# KiCad board 100p-keebored_OLD.kicad_pcb (continued)
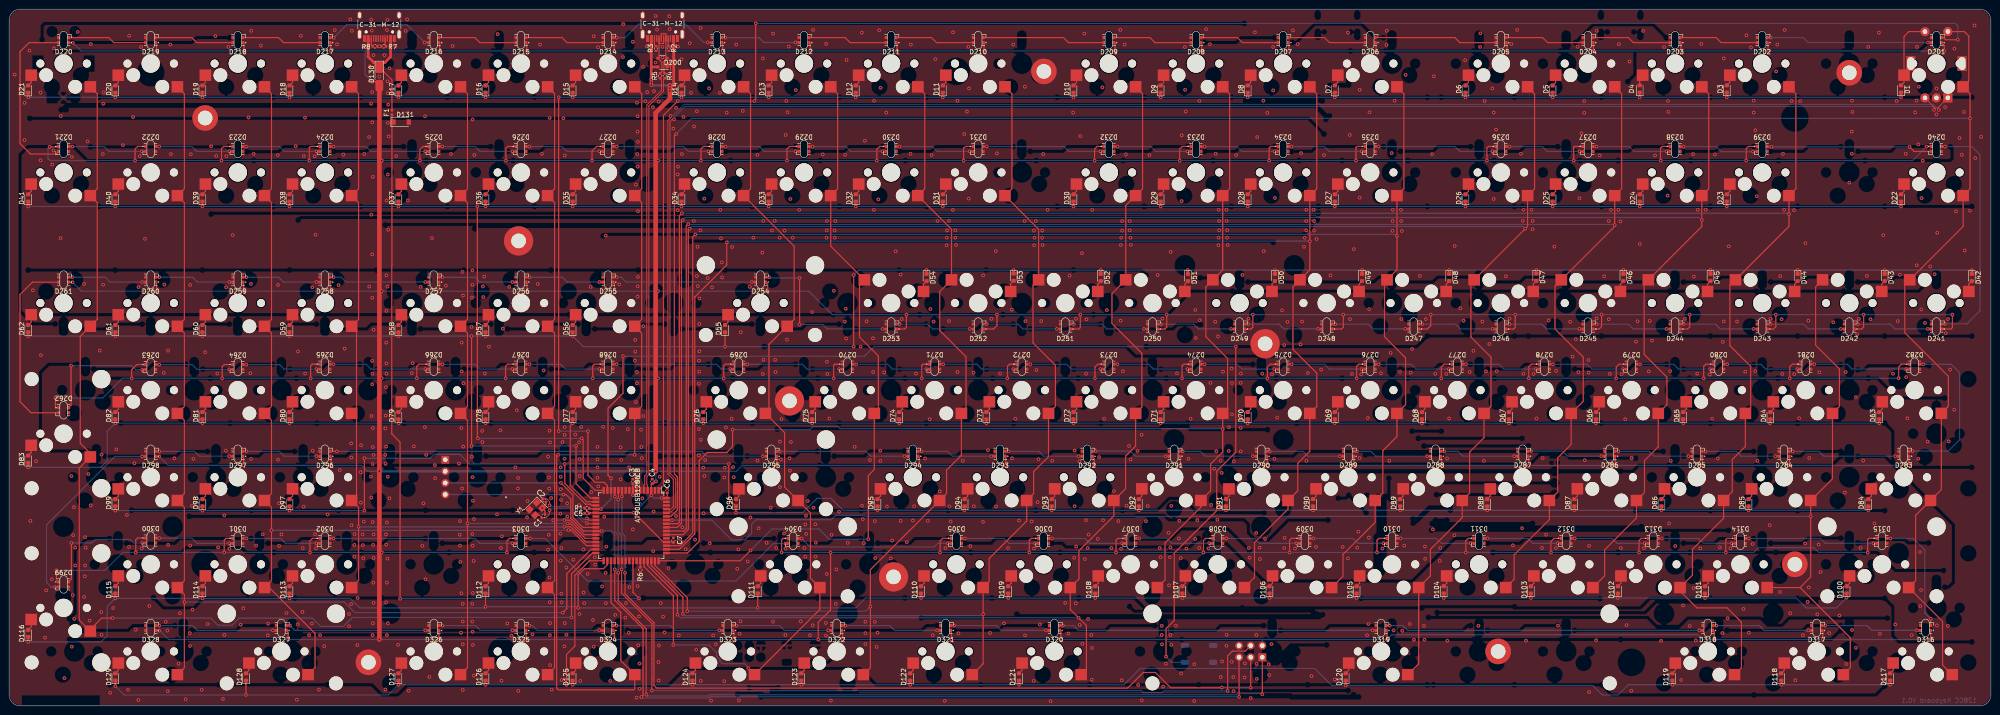
[diagram p0: board, top side]
## Routing (per net, layer and track width the routed paths; a pad name or vN(x,y) marks a point on that pad's centre or on a via; arc(x,y) is an arc through that point) (continued)
GND: length 7.5
  Top w0.25: 144.57,141.01 143.87,140.3 D200.1 144.57,139.96 144.65,140.04 ; 144.65,140.04 144.65,138.92 ; 144.65,140.04 144.65,140.93 ; C1.1 117.16,42.66 v1(116.56,43.26) 117.38,44.08 C2.1
  vias: v1(1.21,138.08) v1(3.35,123.72) v1(3.38,131.88) v1(4.43,143.32) v1(4.65,40.45) v1(5.2,90.9) v1(5.9,53.5) v1(6.85,134.15) v1(6.86,119.33) v1(6.95,76.7) v1(7.85,14.9) v1(8.1,25.25) v1(9.35,27.7) v1(9.42,118.4) v1(9.69,121.48) v1(9.8,143.8) v1(11.25,102.3) v1(11.3,129) v1(12.1,6.05) v1(13.6,50.25) v1(13.72,120.06) v1(13.7,12.95) v1(13.9,24.2) v1(14,37.35) v1(14.15,43.45) v1(14.25,19.05) v1(14.45,34.6) v1(14.45,30.7) v1(15,147.4) v1(16.4,92.3) v1(16.4,23.8) v1(16.55,28.35) v1(16.6,36.9) v1(16.6,30.7) v1(16.75,34.6) v1(17.15,123.45) v1(17.3,50.7) v1(17.6,18.65) v1(17.85,144.75) v1(17.85,43.85) v1(19.8,77.7) v1(20.15,20.5) v1(20.2,54.95) v1(20.2,15.55) v1(20.49,120.7) v1(20.55,92.1) v1(20.6,131.7) v1(20.7,134.2) v1(22.1,2.85) v1(22.75,21.4) v1(23.45,56.1) v1(24.88,122.64) v1(25.75,41.75) v1(26,3.5) v1(26.24,146.57) v1(26.2,34.75) v1(27.1,128.8) v1(27.4,53.05) v1(27.7,16.65) v1(28.25,1.3) v1(28.3,91.6) v1(28.55,120.25) v1(28.85,144.1) v1(29,34.45) v1(29.7,102.15) v1(30.65,21.85) v1(33.8,72.84) v1(33.95,92.15) v1(34.25,18.4) v1(34.6,16.45) v1(34.75,77.7) v1(34.75,35.2) v1(34.7,3.2) v1(35.25,144.65) v1(35.38,120.69) v1(36.15,54.15) v1(37.05,9.2) v1(37.35,20.25) v1(38.6,1.45) v1(39.5,15.9) v1(39.55,13.1) v1(39.6,92.05) v1(39.6,35.05) v1(39.74,120.66) v1(40,43.75) v1(40.1,21.05) v1(40.3,54.05) v1(42.1,3.5) v1(42.85,77.35) v1(43.4,17.9) v1(44.16,122.41) v1(45.1,146.47) v1(45.3,120.3) v1(45.53,72.69) v1(45.7,34.65) v1(46.75,1.5) v1(47.05,41.65) v1(47.05,15.5) v1(47.45,91.55) v1(47.4,55.8) v1(47.5,120.2) v1(47.95,144.15) v1(48.15,34.35) v1(48.9,102.95) v1(50.65,17.75) v1(51.2,21.35) v1(52.35,128.7) v1(52.74,72.74) v1(52.95,147.65) v1(52.9,92.3) v1(52.9,54) v1(53.49,120.72) v1(54,35.05) v1(55.05,144.42) v1(55.45,37.5) v1(56.55,15.45) v1(56.65,17.95) v1(58.76,120.48) v1(58.8,92.05) v1(58.8,53.85) v1(59,44.3) v1(59.05,35) v1(59.55,37.5) v1(60.64,20.31) v1(62.66,122.41) v1(62.9,1.35) v1(63.15,77.5) v1(63.1,17.86) v1(63.8,146.57) v1(64.14,20.54) v1(64.2,34.5) v1(64.45,120.25) v1(64.4,43.55) v1(64.7,128.65) v1(64.73,72.69) v1(65.63,15.48) v1(66.22,18.01) v1(66.3,91.55) v1(66.4,55.8) v1(66.8,120.2) v1(66.9,37.55) v1(67,103.05) v1(67.1,34.45) v1(67.75,3.55) v1(68.01,15.48) v1(68.9,13.05) v1(69.65,41.85) v1(71.2,147.8) v1(71.7,144.7) v1(72.05,92) v1(72.3,51.55) v1(73.1,120.58) v1(73.35,78.15) v1(74.33,20.09) v1(74.33,17.41) v1(74.6,150.15) v1(74.8,57.4) v1(74.85,54.3) v1(74.78,22.25) v1(74.95,147.65) v1(74.9,39.5) v1(75.55,37.55) v1(75.5,35.2) v1(75.5,32.6) v1(76.15,13.3) v1(76.2,23.6) v1(76.85,51.1) v1(76.95,57) v1(76.9,44.45) v1(77.3,37.5) v1(77.35,35.15) v1(77.45,32.3) v1(77.49,144.2) v1(77.55,40.3) v1(77.68,120.71) v1(78.72,124.42) v1(78.75,91.7) v1(78.87,139.89) v1(79.15,131.7) v1(79.1,50.15) v1(79.2,150.1) v1(79.2,107.45) v1(79.25,63.4) v1(79.2,45.55) v1(79.3,147.7) v1(79.39,134.23) v1(79.4,127.65) v1(79.4,98.75) v1(79.4,89.25) v1(79.4,75.45) v1(79.45,72.65) v1(79.4,70.35) v1(79.55,115.7) v1(79.55,60.75) v1(79.55,56.6) v1(79.5,52.9) v1(79.5,40.2) v1(79.54,18.08) v1(79.47,15.48) v1(79.6,35.2) v1(79.65,26.95) v1(79.69,142.34) v1(79.7,82.25) v1(79.7,54.9) v1(79.7,37.5) v1(79.7,32.35) v1(79.69,22.54) v1(80.95,144.26) v1(80.95,137.66) v1(82.07,142.34) v1(82.25,60.7) v1(82.25,54.9) v1(82.35,63.5) v1(82.3,52.95) v1(82.29,3.57) v1(82.45,79.45) v1(82.4,69.7) v1(82.45,56.7) v1(82.4,37.5) v1(82.45,35.25) v1(82.44,22.62) v1(82.55,110.55) v1(82.5,94.15) v1(82.5,86.4) v1(82.5,74.9) v1(82.5,72.65) v1(82.6,147.8) v1(82.6,40.1) v1(82.6,26.95) v1(82.59,15.48) v1(82.75,150.05) v1(82.74,136.61) v1(82.74,91.7) v1(82.75,32.2) v1(82.81,134.01) v1(82.8,127.5) v1(82.8,116.2) v1(82.8,50.1) v1(82.81,18.08) v1(82.9,131.5) v1(82.9,104.15) v1(82.98,124.55) v1(83.15,45.4) v1(83.19,139.44) v1(84.44,144.28) v1(84.64,120.26) v1(85.05,13.35) v1(86.7,147.65) v1(87.05,150.15) v1(87.2,110.55) v1(87.35,3.3) v1(88.05,72.75) v1(88.25,74.95) v1(88.5,56.75) v1(90,91.65) v1(90.35,35) v1(90.6,44.3) v1(90.95,128.95) v1(90.9,60.95) v1(91.05,27.7) v1(91.2,54.9) v1(91.89,6.32) v1(92.45,102.3) v1(93.1,52.65) v1(93.15,49.8) v1(95.5,91.9) v1(96.62,120.72) v1(96.97,144.33) v1(98.37,52.98) v1(98.51,37.43) v1(98.59,40.4) v1(98.59,35.05) v1(98.66,31.47) v1(98.81,16) v1(98.89,60.79) v1(98.89,24.63) v1(98.96,79.47) v1(98.96,73.14) v1(99.04,47.55) v1(99.15,94.9) v1(99.25,89.75) v1(99.18,22.32) v1(99.18,18.45) v1(99.18,13.47) v1(99.18,3.5) v1(99.33,70.54) v1(99.3,56.7) v1(101.12,82.89) v1(101.2,89.3) v1(101.19,54.47) v1(101.35,128.25) v1(101.3,95.25) v1(101.3,92.1) v1(101.34,50) v1(101.27,37.58) v1(101.34,35.05) v1(101.27,22.32) v1(101.27,18.45) v1(101.34,16.22) v1(101.42,44.87) v1(101.42,24.7) v1(101.42,13.32) v1(101.65,40.85) v1(101.57,31.7) v1(101.64,6.62) v1(101.73,120.49) v1(103.44,60.14) v1(103.49,57.7) v1(103.6,91.75) v1(103.7,89.4) v1(103.9,93.9) v1(104.02,72.7) v1(104.91,78.58) v1(106.7,41.89) v1(106.82,146.93) v1(107.44,60.27) v1(107.55,34.55) v1(107.65,5.5) v1(107.75,37.1) v1(107.96,82.52) v1(108.95,18) v1(109.35,91.65) v1(109.85,15.35) v1(110.15,101.85) v1(110.72,52.16) v1(111.02,64.66) v1(111.24,47.55) v1(111.31,49.85) v1(111.35,3.25) v1(111.54,42.78) v1(113.25,41.22) v1(113.4,44.79) v1(114.44,15.62) v1(115.58,92.24) v1(116.12,144.65) v1(116.52,120.75) v1(116.89,73.37) v1(117.87,54.5) v1(117.86,34.15) v1(118.05,49.95) v1(118.01,37.43) v1(118.1,47.5) v1(118.15,28.05) v1(118.2,128.6) v1(118.17,60.19) v1(118.22,22.65) v1(118.25,15.45) v1(118.28,57.65) v1(118.3,18.1) v1(118.3,8.9) v1(118.53,45.46) v1(118.65,3.55) v1(120.54,42.04) v1(120.54,37.65) v1(120.6,52.15) v1(120.6,50.1) v1(120.61,47.4) v1(120.61,31.77) v1(120.7,45.05) v1(120.75,34.5) v1(120.76,24.55) v1(120.82,22.65) v1(120.8,5.65) v1(121.02,57.7) v1(121.2,128.5) v1(121.45,54.05) v1(121.43,13.02) v1(121.5,120.36) v1(121.48,60.95) v1(121.48,59.28) v1(121.51,18.08) v1(121.85,30.25) v1(121.88,15.55) v1(122.03,44.27) v1(122.05,41.4) v1(123.35,31.95) v1(123.81,59.33) v1(124.63,57.65) v1(124.63,43.9) v1(124.75,53.95) v1(124.75,50.25) v1(124.73,20.11) v1(124.9,5.45) v1(125.08,61) v1(125.6,34.2) v1(125.6,24.78) v1(125.75,22.47) v1(126.49,28.87) v1(127.17,91.64) v1(127.3,46.75) v1(127.68,18.75) v1(127.85,146.45) v1(127.83,12.95) v1(128.05,32.5) v1(128.15,30.9) v1(128.65,56.65) v1(128.65,53.9) v1(128.65,52.15) v1(128.65,49.9) v1(128.8,144.05) v1(128.85,48) v1(129.69,26.12) v1(129.9,61.05) v1(130.14,41.37) v1(130.45,102.85) v1(130.44,29.09) v1(130.5,22.45) v1(130.59,34.82) v1(131.45,5.45) v1(132,60.8) v1(132.55,19.9) v1(133.4,92.2) v1(133.71,56.55) v1(133.71,49.56) v1(133.86,53.8) v1(134.23,141.9) v1(134.31,149.12) v1(134.75,19.3) v1(134.9,22.47) v1(135.27,60.49) v1(135.5,16) v1(135.57,52.16) v1(135.65,25.97) v1(136.39,145.25) v1(136.39,38.62) v1(136.84,75.52) v1(136.91,80.06) v1(136.91,77.46) v1(137.06,113.99) v1(137.06,66.45) v1(137.2,1.8) v1(137.28,131.93) v1(137.28,72.99) v1(137.28,70.54) v1(137.43,128.95) v1(137.43,125.6) v1(137.36,120.69) v1(137.43,117.94) v1(137.45,91.75) v1(137.43,89.51) v1(137.43,26.19) v1(137.51,123.37) v1(137.51,108.19) v1(137.51,93.83) v1(137.58,13.24) v1(137.73,19.57) v1(137.85,9.25) v1(137.88,3.72) v1(138.18,60.42) v1(138.25,56.6) v1(138.32,54.17) v1(138.47,45.39) v1(138.62,139.74) v1(138.7,83.04) v1(138.7,63.4) v1(139.14,132.22) v1(139.47,144.28) v1(139.51,134.23) v1(140.78,130.96) v1(140.85,33.85) v1(140.93,42.49) v1(141,134.46) v1(141.37,150.9) v1(141.37,140.71) v1(141.37,137.81) v1(141.67,147.93) v1(142.04,132.15) v1(142,9.55) v1(142.04,5.58) v1(142.1,13.2) v1(142.25,50.1) v1(142.49,22.47) v1(142.87,144.13) v1(142.87,141.82) v1(142.95,46.65) v1(143.01,19.49) v1(143.31,16.07) v1(144,49.25) v1(144.2,30.13) v1(144.35,150.83) v1(144.35,137.81) v1(144.43,148) v1(145.25,126.25) v1(145.77,134.53) v1(145.84,130.81) v1(145.84,41.52) v1(146.21,116.23) v1(146.21,108.41) v1(146.26,144.21) v1(146.29,117.94) v1(146.45,15.4) v1(146.73,36.53) v1(147.03,141.45) v1(147.1,120.69) v1(147.2,39.05) v1(147.48,128.8) v1(147.95,34.25) v1(148.82,144.95) v1(149.11,134.08) v1(149.74,106.05) v1(149.78,126.72) v1(150,36.35) v1(150.25,12.3) v1(150.38,130.07) v1(150.4,94) v1(150.55,100.4) v1(150.6,91.8) v1(150.75,63.5) v1(150.85,75.5) v1(150.85,70.45) v1(150.85,60.55) v1(150.82,54.76) v1(150.95,89.1) v1(150.95,83.5) v1(150.95,77.55) v1(150.9,73.1) v1(151.2,148.3) v1(151.18,104) v1(151.25,5.45) v1(151.27,58.19) v1(151.8,52.1) v1(151.87,42.11) v1(152.02,110.94) v1(152.02,50.3) v1(152.2,53.75) v1(152.75,93.55) v1(153.06,135.05) v1(153.21,35.57) v1(153.5,1.15) v1(153.7,91.55) v1(153.95,15.4) v1(154.55,13.45) v1(155.44,134.08) v1(155.51,108.49) v1(155.66,102.23) v1(155.85,97) v1(155.9,93.7) v1(156.4,49.95) v1(156.4,5.4) v1(156.5,52.1) v1(156.75,60.9) v1(156.93,129.77) v1(158,62.8) v1(158.1,100.35) v1(158.3,52.2) v1(158.45,50) v1(159.01,144.65) v1(159.23,29.99) v1(159.46,34.23) v1(159.6,1.2) v1(159.73,15.79) v1(159.93,18.48) v1(160,81.7) v1(160.42,130.14) v1(161.5,31.6) v1(161.95,91.65) v1(162.1,41.2) v1(162.75,102.4) v1(163.62,120.54) v1(163.65,53.65) v1(163.9,38.85) v1(164.7,99.15) v1(164.81,141.6) v1(164.81,72.59) v1(164.9,106.07) v1(164.96,75.68) v1(165.65,35.65) v1(166.55,43.35) v1(166.81,103.99) v1(167.05,147.03) v1(167.04,18.43) v1(167.42,106.07) v1(167.5,75.68) v1(167.6,72.99) v1(167.75,34.55) v1(168.5,102.4) v1(168.55,57.8) v1(168.55,47.85) v1(168.75,53.9) v1(168.9,62.75) v1(169.45,37.7) v1(169.57,103.95) v1(169.75,34.4) v1(169.74,15.49) v1(169.8,124.86) v1(169.95,132.3) v1(170.1,80.1) v1(170.25,129.84) v1(170.5,144.2) v1(170.65,54.15) v1(170.75,51.45) v1(170.84,110.87) v1(170.95,57.7) v1(171.35,102.4) v1(172.03,134.68) v1(172.78,108.49) v1(173.09,18.48) v1(173.85,62.7) v1(173.9,34.5) v1(174.1,39.65) v1(174.1,32.6) v1(174.25,41.6) v1(174.3,37.6) v1(174.65,44.8) v1(175.12,15.44) v1(175.6,86.15) v1(175.73,17.62) v1(175.8,147.85) v1(175.9,43.35) v1(176.3,39.7) v1(176.35,32.65) v1(176.4,35.7) v1(177.91,120.62) v1(178.65,144.8) v1(178.58,18.13) v1(178.63,15.33) v1(178.75,102.4) v1(178.84,106.06) v1(178.79,104) v1(178.83,75.28) v1(178.8,28.85) v1(178.93,72.59) v1(179.35,62.85) v1(179.7,1.15) v1(179.85,37.4) v1(180.35,90.8) v1(180.52,103.97) v1(180.55,102.4) v1(180.67,106.03) v1(180.75,22.3) v1(180.9,29.85) v1(181.48,42.49) v1(182.75,84.05) v1(182.82,120.54) v1(182.95,86.85) v1(183.05,80.35) v1(183.12,141.3) v1(183.4,35.65) v1(184.9,56.65) v1(186.2,78.55) v1(186.47,147.26) v1(186.5,43.75) v1(186.69,40.85) v1(186.9,35.6) v1(187.14,123.59) v1(187.25,18.4) v1(187.25,15.9) v1(187.25,13.5) v1(187.5,84.1) v1(188.25,53.75) v1(188.7,44.45) v1(188.9,80.4) v1(188.94,72.99) v1(189.15,132.37) v1(189.1,108.49) v1(189.29,40.4) v1(189.3,18.4) v1(189.4,32.3) v1(189.7,12.9) v1(189.9,16) v1(190.07,110.77) v1(190.25,147.75) v1(190.5,55.8) v1(190.5,53.55) v1(190.56,135.2) v1(191.38,72.94) v1(191.82,129.77) v1(191.95,43.6) v1(192.8,32.25) v1(193.1,36.15) v1(193.85,99.4) v1(194.95,94.35) v1(194.95,40.48) v1(195.2,84.6) v1(196.3,35.8) v1(197.11,120.77) v1(197.18,144.65) v1(197.63,40.55) v1(197.9,43.65) v1(198.29,72.69) v1(200.3,54.1) v1(200.9,40.48) v1(201.3,62.7) v1(201.45,86.8) v1(201.72,120.47) v1(201.95,15.45) v1(202.15,84.05) v1(202.54,141.45) v1(203.02,106.06) v1(203.5,46.9) v1(204.6,1.1) v1(204.75,34.5) v1(205.05,102.4) v1(205,100.75) v1(205.1,103.98) v1(205.53,106.07) v1(205.55,84.15) v1(205.6,43.6) v1(205.89,40.33) v1(206.41,147.33) v1(206.39,108.48) v1(206.92,104.03) v1(206.9,102.4) v1(207.1,100.8) v1(207.38,132.37) v1(207.38,73.04) v1(207.6,15.85) v1(208.55,53.6) v1(208.86,125.08) v1(209.46,129.99) v1(209.75,144.15) v1(209.83,110.94) v1(209.91,135.05) v1(210.2,34.95) v1(210.88,72.89) v1(210.95,43.65) v1(213,94.15) v1(212.96,40.25) v1(214.05,55.95) v1(214.5,15.95) v1(214.8,84.65) v1(215.75,99.45) v1(215.8,43.6) v1(216.01,120.84) v1(216.73,72.69) v1(217.55,18.05) v1(218.45,34.5) v1(219.25,86.65) v1(219.3,54.15) v1(219.58,144.65) v1(220.05,62.8) v1(220.84,40.55) v1(222.05,106.05) v1(222.11,135.42) v1(222.15,15.4) v1(222.25,84.15) v1(223.6,40.33) v1(224.05,5.45) v1(224.1,103.95) v1(224.15,100.75) v1(224.1,34.4) v1(224.25,102.4) v1(224.49,106.03) v1(224.65,73.45) v1(224.9,44.55) v1(225.1,53.95) v1(225.4,17.8) v1(225.7,84.15) v1(225.9,103.95) v1(225.9,102.4) v1(226,100.8) v1(226.13,120.69) v1(227.1,108.49) v1(227.75,1) v1(228.1,53.6) v1(230.95,22.5) v1(231.65,15.8) v1(231.9,94.1) v1(232.68,129.77) v1(232.9,32.4) v1(233,55.85) v1(233,43.65) v1(233.25,22.4) v1(233.3,84.65) v1(233.35,34.85) v1(234.05,53.45) v1(234.1,17.7) v1(234.24,124.63) v1(234.6,99) v1(234.7,13.6) v1(235.13,147.03) v1(235.25,32.1) v1(235.52,72.64) v1(235.5,40.63) v1(235.6,84.55) v1(235.85,34.5) v1(235.95,19) v1(236.05,37.45) v1(236.65,15.5) v1(236.75,12.65) v1(236.75,5.7) v1(236.84,108.49) v1(238.05,36.5) v1(238.35,54.4) v1(239.08,135.28) v1(239.22,40.63) v1(239.45,62.8) v1(240.05,86.55) v1(241.05,34.55) v1(241.6,46.95) v1(242.57,40.4) v1(243,147.85) v1(243.05,84.25) v1(243.1,100.8) v1(243.15,34.35) v1(243.2,102.4) v1(243.3,5.6) v1(243.39,106.03) v1(243.39,103.95) v1(243.55,73.19) v1(243.91,144.65) v1(244.21,120.62) v1(244.35,43.8) v1(244.9,56.85) v1(245.03,106.03) v1(245.03,104.02) v1(245.2,102.4) v1(245.25,53.9) v1(245.3,100.85) v1(246.75,55.75) v1(246.9,4.55) v1(247.65,59.3) v1(247.7,1.2) v1(248.6,40.4) v1(249,43.7) v1(249.34,120.47) v1(251.15,94.25) v1(251.6,34.5) v1(251.8,32.5) v1(252.05,17.5) v1(252.05,15.5) v1(252.1,13.45) v1(252.2,84.7) v1(252.35,4.2) v1(252.95,9.2) v1(253.55,37.85) v1(253.65,26.35) v1(253.8,32.5) v1(253.95,34.65) v1(253.95,15.5) v1(254,99.3) v1(254.15,43.75) v1(254.15,13.35) v1(255.15,17.55) v1(255.38,72.74) v1(255.8,36.6) v1(255.89,40.48) v1(256.2,32.3) v1(256.3,7.1) v1(256.41,124.78) v1(256.4,110.4) v1(257.1,144.1) v1(257.16,134.75) v1(257.31,129.99) v1(257.45,34.4) v1(257.9,54.05) v1(258.35,62.8) v1(259.15,9.1) v1(259.15,1.05) v1(259.35,36.5) v1(259.4,86.6) v1(259.5,80.45) v1(259.84,40.63) v1(260.25,34.55) v1(260.28,132.3) v1(260.35,84.35) v1(261.75,148) v1(262.25,34.4) v1(262.59,144.73) v1(262.7,70.65) v1(262.85,43.95) v1(263.5,51.85) v1(263.75,84) v1(263.85,120.77) v1(264,55.7) v1(264.23,40.7) v1(264.35,80.8) v1(264.45,100.75) v1(264.5,108.5) v1(264.5,102.4) v1(264.6,106.05) v1(264.6,104.02) v1(264.85,43.7) v1(264.9,53.6) v1(264.95,6.3) v1(265.15,50.95) v1(265.25,9.7) v1(265.45,73.1) v1(266.2,108.5) v1(266.25,106.05) v1(266.25,15.55) v1(266.2,13.15) v1(266.35,104.05) v1(266.35,102.4) v1(266.45,100.8) v1(266.75,60.95) v1(266.7,55.75) v1(267.35,73.8) v1(267.35,9.65) v1(267.4,70.6) v1(267.4,63.75) v1(267.7,6.3) v1(267.75,3.2) v1(267.8,53.5) v1(268.32,120.47) v1(269.35,72.7) v1(269.3,70.65) v1(269.3,62.95) v1(269.3,60.8) v1(269.3,55.65) v1(269.7,94.25) v1(270.15,6.2) v1(270.25,9.3) v1(271,84.7) v1(271.1,34.5) v1(271.25,32.4) v1(271.5,1.7) v1(272.41,147.33) v1(272.7,37.8) v1(272.75,15.5) v1(272.8,9.2) v1(272.85,5.9) v1(272.93,124.41) v1(273.45,34.6) v1(273.5,32.1) v1(274.05,72.65) v1(274.27,132.37) v1(274.35,99.45) v1(274.65,36.5) v1(275.16,129.69) v1(275.45,9.1) v1(275.55,6.75) v1(276.05,13.5) v1(276.15,72.55) v1(276.4,144.1) v1(276.43,134.61) v1(276.7,54.05) v1(276.8,111.09) v1(277.3,63.05) v1(278.35,86.5) v1(278.85,78.9) v1(278.85,34.5) v1(278.9,36.75) v1(279.55,84) v1(280.75,147.75) v1(281.2,34.4) v1(281.79,144.73) v1(282.4,79.05) v1(282.53,120.91) v1(282.75,84.05) v1(283.15,100.4) v1(283.3,102.4) v1(283.65,108.5) v1(283.65,106.05) v1(283.65,104) v1(283.7,53.6) v1(284,72.8) v1(284.8,6.5) v1(285.25,108.5) v1(285.35,106.05) v1(285.35,103.95) v1(285.8,34.75) v1(285.9,102.1) v1(286.9,73.55) v1(287.52,120.47) v1(288.95,94.15) v1(289.9,5.75) v1(291.6,34.75) v1(292.75,32.25) v1(292.8,147.26) v1(293.17,124.86) v1(293.23,84.57) v1(293.65,72.6) v1(294.05,99.9) v1(294.8,34.6) v1(295.05,38.1) v1(295.33,134.75) v1(295.33,111.17) v1(295.3,54.2) v1(295.65,72.5) v1(296.95,15.45) v1(297.1,62.95) v1(297.25,17.9) v1(297.35,36.8) v1(297.4,86.75) v1(297.49,129.84) v1(300,72.75) v1(300.3,34.4) v1(301.25,147.65) v1(301.21,144.58) v1(301.8,53.6) v1(302.1,77.2) v1(302.32,120.91) v1(302.55,106.05) v1(302.5,103.9) v1(302.6,108.5) v1(302.75,16.5) v1(302.99,132.37) v1(304.15,73.1) v1(304.35,108.5) v1(304.4,106.05) v1(304.55,103.85) v1(304.46,84.62) v1(304.65,16.4) v1(305.1,35.05) v1(305.37,138.03) v1(306.3,17.9) v1(306.5,72.9) v1(306.8,78.05) v1(307.2,14.45) v1(308.5,94.05) v1(309.4,17.5) v1(309.5,14.45) v1(309.6,34.85) v1(309.65,32.15) v1(309.8,84.6) v1(311.18,120.69) v1(311.35,38.6) v1(311.55,137.7) v1(311.85,72.65) v1(312.85,31.7) v1(312.95,34.55) v1(314.3,72.6) v1(314.45,54.1) v1(314.5,14.25) v1(314.9,62.85) v1(316.05,37.3) v1(316.1,100.6) v1(317.35,86.95) v1(318.05,84.25) v1(318.4,141.23) v1(319.4,73) v1(320.2,77.65) v1(321.3,17.5) v1(321.75,147.1) v1(321.67,144.13) v1(322.15,84.05) v1(322.5,53.6) v1(322.64,132.3) v1(322.95,73.15) v1(323.7,79.15) v1(324.35,135.05) v1(324.65,129.77) v1(324.65,110.87) v1(325.17,126.05) v1(325.3,73.2) v1(327.3,93.95) v1(328.1,84.7) v1(328.5,144.75) v1(328.85,35.1) v1(329.78,147.85) v1(330.6,120.77) v1(330.85,38.85) v1(331,106.05) v1(331.15,108.5) v1(331.15,72.65) v1(331.7,14.25) v1(332.9,108.5) v1(333.15,106.05) v1(333.15,104.25) v1(333.35,72.6) v1(334,62.85) v1(335.2,34.55) v1(335.35,54.2) v1(336.1,37.45) v1(336.65,84.3) v1(337.9,100.45) v1(338.2,34.5) v1(338.3,73.25) v1(338.7,17.55) v1(341.35,84) v1(341.9,76.4) v1(342.6,80.2) v1(343,144.15) v1(343.15,72.95) v1(343.4,111.02) v1(343.84,125.23) v1(344.44,132.3) v1(344.44,129.69) v1(344.55,53.7) v1(345.35,75.65) v1(345.4,72.9) v1(345.5,35) v1(345.5,3) v1(347.05,14.35) v1(347.15,84.75) v1(347.2,147.65) v1(347.84,120.39) v1(348.8,93.95) v1(349.8,106.05) v1(349.8,84.55) v1(350.05,72.6) v1(350.3,108.5) v1(351.9,108.5) v1(352.03,144.73) v1(352.35,105.95) v1(352.45,34.5) v1(352.6,72.55) v1(353.4,62.7) v1(353.7,17.65) v1(354.34,140.93) v1(354.75,3.3) v1(354.8,54.2) v1(355.75,79.65) v1(356.1,84.1) v1(356.6,101) v1(357.31,147.63) v1(357.5,34.5) v1(358.55,73.15) v1(358.75,84.2) v1(359.25,79.9) v1(359.93,120.39) v1(361.25,14.2) v1(361.9,144.1) v1(362.74,132.3) v1(362.67,111.61) v1(362.82,129.92) v1(363,39.9) v1(363.25,73.2) v1(363.35,53.6) v1(364.35,34.95) v1(365.65,5.65) v1(366.05,21.95) v1(366.45,84.65) v1(367.5,17.45) v1(368.25,120.69) v1(368.35,25.75) v1(368.4,93.9) v1(368.85,14.3) v1(369.15,72.65) v1(369.25,108.5) v1(369.8,34.45) v1(370.04,144.8) v1(371,108.5) v1(371.9,72.45) v1(372.4,62.8) v1(373.01,120.62) v1(373.65,54.1) v1(374.1,34.65) v1(374.65,15.9) v1(374.75,79.6) v1(374.95,141.6) v1(374.95,84.1) v1(375.8,19.15) v1(376.05,100.5) v1(376.4,34.45) v1(377.85,84.05) v1(379.25,21.2) v1(379.65,73.1) v1(379.9,146.65) v1(380.45,16) v1(380.9,144) v1(381.25,35.4) v1(381.5,132.37) v1(381.5,129.77) v1(381.85,73.2) v1(381.87,125.9) v1(382.17,111.46) v1(382.3,53.6) v1(385,39.5) v1(385.2,84.7) v1(386.41,138.77) v1(386.65,144.65) v1(387.25,24.9) v1(387.3,94) v1(387.6,84.55) v1(387.75,72.6) v1(387.9,120.77) v1(388.15,108.5) v1(388.27,147.85) v1(389.5,20.25) v1(389.8,132.3) v1(390.3,108.4) v1(390.35,72.55) v1(390.6,5.6) v1(391.45,62.9) v1(391.65,132.3) v1(392.25,15.45) v1(392.75,35.5) v1(392.8,101.2) v1(393.3,22.75) v1(393.45,84.25) v1(393.55,25.9) v1(393.65,54.2) v1(395.4,20) v1(395.7,35.3) v1(395.85,72.95) v1(396.1,29.25) v1(398,15.9) v1(398.9,83.9) v1(400.25,19.75) v1(401.45,46.65) v1(401.6,73) v1(401.75,9.15) v1(402.41,114.44) v1(402.93,125.6) v1(402.93,120.77) v1(403,132.37) v1(403,16.6) v1(403.07,129.92) v1(403.85,67.5) v1(403.85,12.7) v1(404.15,81.3) v1(404.5,84.65) v1(404.85,34.55) v1(405.45,53.65) v1(406.25,94.05) v1(406.57,144.13) v1(407.05,84.55) v1(407.9,39.9) v1(408.88,147.26) v1(409.1,15.75) v1(409.85,102.95) v1(409.85,5.75) v1(411.95,72.65) v1(412.45,17.8) v1(412.75,132.3) v1(413,84.15) v1(413.45,94.3) v1(414.75,120.75) v1(414.85,71.9) v1(415.1,62.9) v1(416.05,15.45) v1(416.8,129.8) v1(417.1,132.4) v1(417.15,96.35) v1(417.21,144.13) v1(417.5,122.8) v1(417.5,54.05) v1(417.58,135.42) v1(417.85,33.65) v1(417.9,21.8) v1(418.15,86.7) v1(418.1,25.35) v1(418.2,111.05) v1(418.45,119.25) v1(418.95,83.75) v1(419.55,57.8) v1(420.1,96.1) v1(421.05,94.4) v1(421.45,129.35) v1(421.5,135.05) v1(421.55,17.6) v1(421.65,103.45) v1(423.35,130.95) v1(423.5,81.5) v1(423.95,17.5) v1(424,84.6) v1(424.15,57.85) v1(424.45,73.55) v1(425.35,64.8) v1(425.4,143.76) v1(425.75,108.15) v1(426.5,124.2) v1(427,120.55) v1(427.45,129.9) v1(427.65,99.6) v1(428.8,108.3) v1(429.79,148.82) v1(429.95,119.8) v1(431.25,124.45)
/xtal+: length 16.2
  Top w0.2: v1(126.34,39.96) 126.46,39.84 AT90USB1286.24 ; v1(118.18,42.81) 118.18,41.98 117.37,41.18 C1.2 115.96,41.7 Y1.3
  Bottom w0.2: v1(118.18,42.81) 118.48,43.11 122.65,43.11 125.5,40.26 126.04,40.26 v1(126.34,39.96)
/xtal-: length 15.5
  Top w0.2: 115.88,44.46 C2.2 117.6,45.28 118.18,44.7 v1(118.18,43.86)
  Top w0.25: v1(126.34,41.01) 126.71,40.64 AT90USB1286.23 128.25,40.7
  Bottom w0.2: v1(126.34,41.01) 126.04,40.71 125.69,40.71 122.84,43.56 118.48,43.56 v1(118.18,43.86)
Col1: length 533.2
  Top w0.25: SW117.2 422.8,8.94 422.8,18.46 SW100.2 416.91,27.4 416.91,41.68 SW84.2 422.53,47.3 SW63.2 424.06,65.5 424.06,72.1 414.54,81.63 414.54,92.1 SW42.2 427.3,104.86 SW22.2 428.82,113.12 428.82,133.88 SW1.2 428.52,136.63 428.52,146.51 427.55,147.48 SW130.S2 ; v1(145.84,125.08) 145.47,124.71 145.47,50.75 146.12,50.1 146.12,42.84 144.71,41.44 AT90USB1286.59
  Bottom w0.25: v1(145.84,125.08) 149.26,128.5 v1(428.82,128.5)
Col2: length 360.6
  Top w0.25: v1(144.95,40.63) 144.94,40.64 AT90USB1286.58 ; SW43.2 395.04,91.66 395.04,78.87 400.25,73.67 400.25,65.5 SW64.2 398.72,49.69 SW85.2 v1(393.96,41.44) 393.96,28.2 391.64,25.87 ; SW118.2 402.63,8.35 402.63,14.88 391.64,25.87 ; SW101.2 391.64,25.87
  Bottom w0.25: v1(144.95,40.63) 153.65,40.63 157.97,36.31 160.87,36.31 162.36,37.8 162.36,39.73 163.33,40.7 179.77,40.7 180.72,41.65 187.05,41.65 187.25,41.44 v1(393.96,41.44)
Col3: length 466.5
  Top w0.25: AT90USB1286.57 146.24,39.84 146.57,40.16 146.57,107.21 v1(147.1,107.74) ; SW3.2 390.72,133.88 390.72,113.12 SW23.2 v1(389.2,107.56) 389.2,104.86 SW44.2 376.29,91.95 376.29,78.8 380.83,74.26 380.83,65.12 SW65.2 379.67,56.74 376.81,53.87 376.81,46.82 SW86.2 374.91,41.04 368.1,34.23 368.1,28.59 SW102.2 365.39,25.11 369.07,21.43 375.69,21.43 378.82,18.31 378.82,8.35 SW119.2
  Bottom w0.25: v1(389.2,107.56) 389.01,107.74 v1(147.1,107.74)
Col4: length 418.2
  Top w0.25: AT90USB1286.56 146.11,39.04 147.02,39.94 147.02,105.99 v1(147.29,106.27) ; SW4.2 371.67,133.88 371.67,113.12 SW24.2 v1(370.15,106.27) 370.15,104.86 SW45.2 357.54,92.25 357.54,76.87 362.52,71.88 362.52,65.87 SW66.2 360.63,56.66 357.61,53.65 357.61,46.67 SW87.2 355.86,41.11 348.91,34.15 348.91,28.44 SW103.2
  Bottom w0.25: v1(147.29,106.27) 147.84,106.82 369.6,106.82 v1(370.15,106.27)
Col5: length 399.8
  Top w0.25: AT90USB1286.55 147.53,38.24 148.07,38.78 148.07,104.92 v1(148.52,105.36) ; SW5.2 352.63,133.88 352.63,113.12 SW25.2 v1(351.1,105.17) 351.1,104.86 SW46.2 338.04,91.81 338.04,82.45 344.22,76.27 344.22,66.61 SW67.2 341.58,57.18 338.64,54.25 338.64,46.75 SW88.2 336.81,40.74 329.11,33.04 329.11,27.7 SW104.2
  Bottom w0.25: v1(148.52,105.36) 148.59,105.29 350.98,105.29 v1(351.1,105.17)
Col6: length 398.7
  Top w0.25: SW120.2 308.24,9.21 SW105.2 310.81,28.44 310.81,34.23 317.77,41.19 SW89.2 319.37,46.52 319.37,55.51 322.53,58.67 SW68.2 324.05,65.5 324.05,76.27 319.66,80.66 319.66,92.48 SW47.2 v1(331.55,104.36) 332.05,104.86 SW26.2 333.58,113.12 333.58,133.88 SW6.2 ; AT90USB1286.54 147.37,37.44 148.52,38.59 148.52,104.1 v1(148.8,104.38)
  Bottom w0.25: v1(148.8,104.38) 149.26,104.84 331.06,104.84 v1(331.55,104.36)
Col7: length 346.6
  Top w0.25: SW7.2 305,133.88 305,113.12 SW27.2 v1(303.48,102.79) 303.48,95.34 SW48.2 300.76,92.62 300.76,80.73 305.38,76.12 305.38,65.87 SW69.2 303.48,58.9 300.39,55.81 300.39,46.6 SW90.2 298.72,40.14 291.69,33.11 291.69,28.37 SW106.2 ; AT90USB1286.51 146.72,35.04 149.49,37.8 149.49,102.54 v1(150.08,103.13)
  Bottom w0.25: v1(303.48,102.79) 303.14,103.13 v1(150.08,103.13)
Col8: length 322.9
  Top w0.25: AT90USB1286.50 146.56,34.24 149.94,37.62 149.94,89.45 156.93,96.43 v1(156.93,101.38) ; SW107.2 272.34,28.07 272.34,35.72 279.67,43.05 SW91.2 281.79,47.04 281.79,53.05 284.43,55.7 SW70.2 285.95,65.5 285.95,72.78 280.75,77.98 280.75,91.66 SW49.2 284.43,95.34 v1(284.43,101.6) SW28.2 285.95,113.12 285.95,133.88 SW8.2
  Bottom w0.25: v1(284.43,101.6) 284.38,101.65 157.2,101.65 v1(156.93,101.38)
Col9: length 266.5
  Top w0.25: SW9.2 266.91,133.88 266.91,113.12 SW29.2 265.38,95.34 SW50.2 261.7,91.66 261.7,80.74 266.45,75.99 266.45,65.04 SW71.2 v1(265.38,60.53) 265.38,55.55 262.74,52.91 262.74,47.04 SW92.2 260.62,43.49 252.77,35.64 252.77,27.55 SW108.2 ; v1(158.19,60.42) 158.19,56.7 156.93,55.43 152.69,55.43 150.9,53.65 150.9,36.01 148.33,33.44 AT90USB1286.49
  Bottom w0.25: v1(158.19,60.42) 175.08,60.42 175.75,61.09 181.26,61.09 181.71,60.64 265.27,60.64 v1(265.38,60.53)